# Allegro board 8880F5-0823_1_maisha.brd (continued)
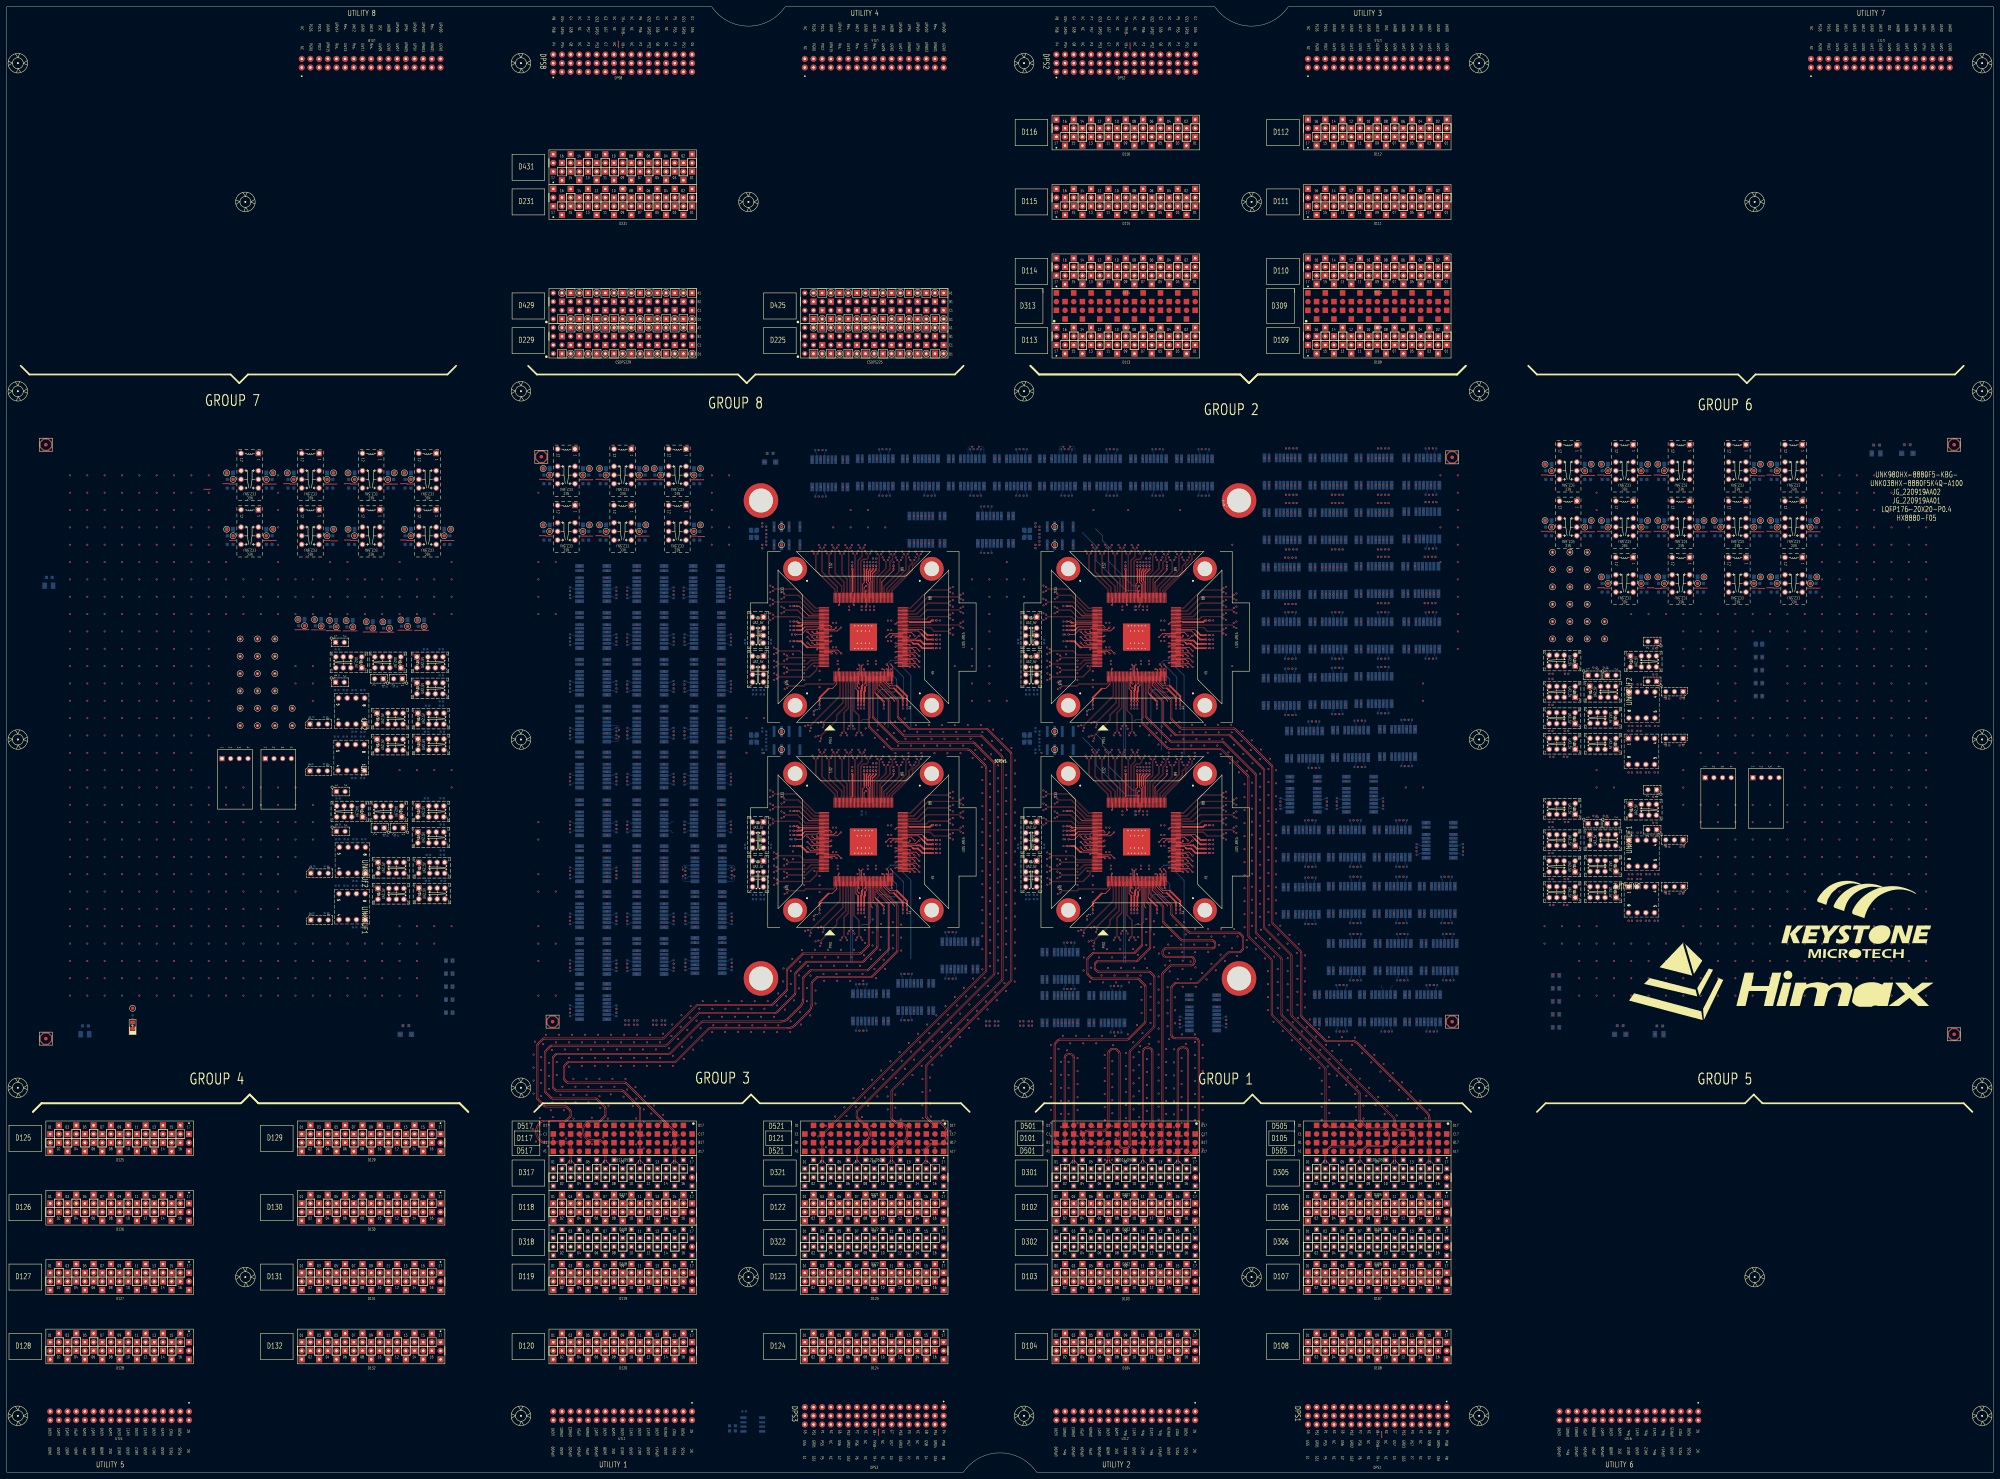
[diagram p0: board, top side]
## Placement (name value [footprint] x y rotation side) (continued)
FD9  -  [FD_040_V2]  570.23 128.27 180 bottom
FD10  -  [FD_040_V2]  570.23 300.99 0 top
FD11  -  [FD_040_V2]  570.23 300.99 180 bottom
FD12  -  [FD_040_V2]  11.43 300.99 0 top
FD13  -  [FD_040_V2]  11.43 300.99 180 bottom
FD14  -  [FD_040_V2]  11.43 127 0 top
FD15  -  [FD_040_V2]  11.43 127 180 bottom
FD16  -  [FD_040_V2]  570.23 128.27 0 top
GND1  TP01  [TP_040_T]  173.57 294 0 top
GND2  TP01  [TP_040_T]  187.11 294 180 top
GND3  TP01  [TP_040_T]  116.42 292.74 0 top
GND4  TP01  [TP_040_T]  157.06 294 0 top
GND5  TP01  [TP_040_T]  170.6 294 180 top
GND6  TP01  [TP_040_T]  173.57 277.5 0 top
GND7  TP01  [TP_040_T]  203.11 294 180 top
GND8  TP01  [TP_040_T]  189.58 294 0 top
GND9  TP01  [TP_040_T]  170.6 277.5 180 top
GND10  TP01  [TP_040_T]  99.36 249.46 0 top
GND11  TP01  [TP_040_T]  94.49 249.52 0 top
GND12  TP01  [TP_040_T]  203.11 277.5 180 top
GND13  TP01  [TP_040_T]  187.11 277.5 180 top
GND14  TP01  [TP_040_T]  157.06 277.5 0 top
HX8880-F05  REF-CODE-CHIP  [CHIP_CODE]  559.05 279.65 0 top
J1  HDR-2X1-M  [JP_2P_100]  110.24 232.41 270 bottom
J2  HDR-3X1-M  [JP_3P_100]  88.76 205.43 90 bottom
J3  HDR-3X1-M  [JP_3P_100]  88.76 219.15 90 bottom
J4  HDR-2X1-M  [JP_2P_100]  96.27 231.39 90 bottom
J5  HDR-2X1-M  [JP_2P_100]  96.27 243.08 90 bottom
JG_220919AA01  REF-CODE-SOCKET  [SOCKET_CODE]  559.05 284.73 0 top
JG_220919AA02  REF-CODE-SOCKET  [SOCKET_CODE]  559.05 287.27 0 top
K1  G6K-2F-RF-T-5V-SPECIAL  [RL_G6K2FRT_8P_5V_GR]  171.7 219.2 270 bottom
K2  G6K-2F-RF-T-5V-SPECIAL  [RL_G6K2FRT_8P_5V_GR]  205.23 232.92 270 bottom
K3  G6K-2F-RF-T-5V-SPECIAL  [RL_G6K2FRT_8P_5V_GR]  294.39 292.86 0 bottom
K4  G6K-2F-RF-T-5V-SPECIAL  [RL_G6K2FRT_8P_5V_GR]  307.59 292.86 0 bottom
K5  G6K-2F-RF-T-5V-SPECIAL  [RL_G6K2FRT_8P_5V_GR]  347.73 292.86 0 bottom
K6  G6K-2F-RF-T-5V-SPECIAL  [RL_G6K2FRT_8P_5V_GR]  334.26 292.86 0 bottom
K7  G6K-2F-RF-T-5V-SPECIAL  [RL_G6K2FRT_8P_5V_GR]  320.8 292.86 0 bottom
K8  G6K-2F-RF-T-5V-SPECIAL  [RL_G6K2FRT_8P_5V_GR]  267.46 292.86 0 bottom
K9  UA2-5NJ-A-V3  [RL_NECUA2_5V_V3]  219.96 235.46 90 bottom
K10  UA2-5NJ-A-V3  [RL_NECUA2_5V_V3]  111.76 237.24 0 bottom
K11  G6K-2F-RF-T-5V-SPECIAL  [RL_G6K2FRT_8P_5V_GR]  289.56 276.1 180 bottom
K12  UA2-5NJ-A-V3  [RL_NECUA2_5V_V3]  219.96 246.89 90 bottom
K13  UA2-5NJ-A-V3  [RL_NECUA2_5V_V3]  123.7 229.62 180 bottom
K14  UA2-5NJ-A-V3  [RL_NECUA2_5V_V3]  112.01 220.73 180 bottom
K15  UA2-5NJ-A-V3  [RL_NECUA2_5V_V3]  123.99 213.19 180 bottom
K16  G6K-2F-RF-T-5V-SPECIAL  [RL_G6K2FRT_8P_5V_GR]  241.05 292.61 180 bottom
K17  G6K-2F-RF-T-5V-SPECIAL  [RL_G6K2FRT_8P_5V_GR]  254.25 292.86 0 bottom
K18  UB2-5NU-B  [RL_NECUB2_5V]  228.45 274.32 0 bottom
K19  UA2-5NJ-A-V3  [RL_NECUA2_5V_V3]  112.01 213.11 180 bottom
K20  UA2-5NJ-A-V3  [RL_NECUA2_5V_V3]  123.95 220.73 180 bottom
K21  G6K-2F-RF-T-5V-SPECIAL  [RL_G6K2FRT_8P_5V_GR]  280.92 292.86 0 bottom
K22  G6K-2F-RF-T-5V-SPECIAL  [RL_G6K2FRT_8P_5V_GR]  205.23 246.63 270 bottom
K23  G6K-2F-RF-T-5V-SPECIAL  [RL_G6K2FRT_8P_5V_GR]  188.47 232.92 270 bottom
K24  G6K-2F-RF-T-5V-SPECIAL  [RL_G6K2FRT_8P_5V_GR]  171.7 232.92 270 bottom
K25  G6K-2F-RF-T-5V-SPECIAL  [RL_G6K2FRT_8P_5V_GR]  204.98 260.35 270 bottom
K26  G6K-2F-RF-T-5V-SPECIAL  [RL_G6K2FRT_8P_5V_GR]  188.47 246.63 270 bottom
K27  G6K-2F-RF-T-5V-SPECIAL  [RL_G6K2FRT_8P_5V_GR]  171.7 246.63 270 bottom
K28  UA2-5NJ-A-V3  [RL_NECUA2_5V_V3]  100.33 237.24 0 bottom
K29  G6K-2F-RF-T-5V-SPECIAL  [RL_G6K2FRT_8P_5V_GR]  171.7 260.35 270 bottom
K30  G6K-2F-RF-T-5V-SPECIAL  [RL_G6K2FRT_8P_5V_GR]  188.47 260.35 270 bottom
K31  EC2-5NJ-A  [RL_NECEC2_10P_5V]  196.34 276.86 90 bottom
K33  NC/UA2-5NJ-A-V3  [RL_NECUA2_5V_V3]  123.7 237.24 180 bottom
K34  EC2-5NJ-A  [RL_NECEC2_10P_5V]  180.34 293.37 90 bottom
K36  EC2-5NJ-A  [RL_NECEC2_10P_5V]  123.19 292.1 90 bottom
K37  EC2-5NJ-A  [RL_NECEC2_10P_5V]  163.83 293.37 90 bottom
K39  EC2-5NJ-A  [RL_NECEC2_10P_5V]  180.34 276.86 90 bottom
K40  EC2-5NJ-A  [RL_NECEC2_10P_5V]  196.34 293.37 90 bottom
K42  EC2-5NJ-A  [RL_NECEC2_10P_5V]  163.83 276.86 90 bottom
K43  G6K-2F-RF-T-5V-SPECIAL  [RL_G6K2FRT_8P_5V_GR]  269.49 276.1 180 bottom
LD902  LDG-2-S8  [LED_0805]  36.83 130.81 90 top
LOGO1  -  [LOGO_KT_KSMT]  538.48 154.94 0 top
LOGO2  LOGO_HX_Himax  [LOGO_HX_HIMAX]  518.16 138.43 0 top
LQFP176-20X20-P0.4  REF-CODE-CHIP  [CHIP_CODE]  559.05 282.19 0 top
NOREF  -  []  252.51 205.56 90 top
NOREF#2  -  []  275.12 271.65 90 top
NOREF#3  -  []  473.79 239.64 0 top
NOREF#4  -  []  330.73 205.56 90 top
NOREF#5  -  []  411.26 179.6 90 top
NOREF#6  -  []  175.8 201.79 90 top
NOREF#7  -  []  354.27 131.87 90 top
NOREF#8  -  []  284.36 280.1 0 top
NOREF#9  -  []  251.62 205.56 0 top
NOREF#10  -  []  312.46 144.39 90 top
NOREF#11  -  []  339.46 288.86 90 top
NOREF#12  -  []  390.69 273.11 0 top
NOREF#13  -  []  378.75 256.66 90 top
NOREF#14  -  []  36.1 129.71 90 top
NOREF#15  -  []  278.6 147.38 0 top
NOREF#16  -  []  399.39 178.25 0 top
NOREF#17  -  []  459.28 211.76 0 top
NOREF#18  -  []  112.16 238.84 0 top
NOREF#19  -  []  390.94 273.16 90 top
NOREF#20  -  []  332.83 264.65 90 top
NOREF#21  -  []  383.09 273.11 0 top
NOREF#22  -  []  369.38 257.11 0 top
NOREF#23  -  []  230.41 248.88 90 top
NOREF#24  -  []  418.12 257.42 90 top
NOREF#25  -  []  259.33 265.55 0 top
NOREF#26  -  []  334.61 265.86 90 top
NOREF#27  -  []  249.85 164.74 0 top
NOREF#28  -  []  460.93 225.6 90 top
NOREF#29  -  []  328.33 187.93 0 top
NOREF#30  -  []  403.41 209.61 0 top
NOREF#31  -  []  410.52 241.11 0 top
NOREF#32  -  []  230.73 186.66 0 top
NOREF#33  -  []  461.86 187.32 0 top
NOREF#34  -  []  405.93 272.66 90 top
NOREF#35  -  []  167.7 151.68 90 top
NOREF#36  -  []  327.25 265.56 90 top
NOREF#37  -  []  172.08 291.65 90 top
NOREF#38  -  []  343.95 163.52 90 top
NOREF#39  -  []  263.14 282 0 top
NOREF#40  -  []  209.23 191.22 90 top
NOREF#41  -  []  105.58 234.24 90 top
NOREF#42  -  []  352.25 249.82 0 top
NOREF#43  -  []  303.56 245.29 90 top
NOREF#44  -  []  184.47 159.65 90 top
NOREF#45  -  []  209.33 187.82 90 top
NOREF#46  -  []  226.83 269.63 90 top
NOREF#47  -  []  378.58 273.11 90 top
NOREF#48  -  []  192.57 160.9 90 top
NOREF#49  -  []  380.59 222.95 0 top
NOREF#50  -  []  230.41 243.09 90 top
NOREF#51  -  []  339.33 204.35 90 top
NOREF#52  -  []  451.68 230.2 0 top
NOREF#53  -  []  354.27 134.07 90 top
NOREF#54  -  []  482.64 192.46 90 top
NOREF#55  -  []  209.23 202.99 90 top
NOREF#56  -  []  192.47 218.65 90 top
NOREF#57  -  []  194.09 228.47 90 top
NOREF#58  -  []  310.73 249.2 0 top
NOREF#59  -  []  382.82 163.39 0 top
NOREF#60  -  []  304.61 131.64 0 top
NOREF#61  -  []  449.99 174.46 0 top
NOREF#62  -  []  322.23 233.13 90 top
NOREF#63  -  []  167.7 186.57 90 top
NOREF#64  -  []  412.36 209.61 90 top
NOREF#65  -  []  192.47 243.88 90 top
NOREF#66  -  []  192.57 187.82 90 top
NOREF#67  -  []  96.58 195.15 0 top
NOREF#68  -  []  342.63 296.86 0 top
NOREF#69  -  []  263.63 225.04 90 top
NOREF#70  -  []  229.21 193.37 0 top
NOREF#71  -  []  418.63 131.94 90 top
NOREF#72  -  []  375.73 199.18 90 top
NOREF#73  -  []  250.5 288.86 0 top
NOREF#74  -  []  182.82 243.9 90 top
NOREF#75  -  []  262.04 224.74 0 top
NOREF#76  -  []  167.7 163.2 90 top
NOREF#77  -  []  375.22 180.15 0 top
NOREF#78  -  []  108.01 214.71 0 top
NOREF#79  -  []  373.83 192.28 0 top
NOREF#80  -  []  333.4 264.35 90 top
NOREF#81  -  []  211.11 146.93 90 top
NOREF#82  -  []  220.36 237.06 0 top
NOREF#83  -  []  175.8 133.97 90 top
NOREF#84  -  []  300.74 286.96 90 top
NOREF#85  -  []  115.99 130.36 90 top
NOREF#86  -  []  373.68 265.11 0 top
NOREF#87  -  []  106.76 217.73 90 top
NOREF#88  -  []  115.61 219.13 90 top
NOREF#89  -  []  352.55 183.91 0 top
NOREF#90  -  []  272.25 185.5 0 top
NOREF#91  -  []  324.9 288.91 90 top
NOREF#92  -  []  275.82 296.86 0 top
NOREF#93  -  []  252.51 205.56 0 top
NOREF#94  -  []  101.82 273.87 90 top
NOREF#95  -  []  413.75 171.64 0 top
NOREF#96  -  []  165.8 185.42 90 top
NOREF#97  -  []  386.33 207.21 90 top
NOREF#98  -  []  251.06 223.82 90 top
NOREF#99  -  []  317.98 163.82 90 top
NOREF#100  -  []  182.57 171.96 0 top
NOREF#101  -  []  228.36 202.16 45 top
NOREF#102  -  []  326.23 233.13 0 top
NOREF#103  -  []  107.02 171.57 0 top
NOREF#104  -  []  373.68 232.6 0 top
NOREF#105  -  []  217.41 273.24 0 top
NOREF#106  -  []  229.51 187.93 0 top
NOREF#107  -  []  399.8 207.46 90 top
NOREF#108  -  []  404.4 273.16 90 top
NOREF#109  -  []  329.28 163.82 90 top
NOREF#110  -  []  354.08 286.96 90 top
NOREF#111  -  []  346.27 129.42 0 top
NOREF#112  -  []  352.25 242.32 90 top
NOREF#113  -  []  412.6 161.74 0 top
NOREF#114  -  []  118.96 179.19 0 top
NOREF#115  -  []  341.63 195.43 90 top
NOREF#116  -  []  348.28 296.86 0 top
NOREF#117  -  []  328.96 164.72 0 top
NOREF#118  -  []  462.06 293.82 90 top
NOREF#119  -  []  351.34 182.64 0 top
NOREF#120  -  []  471.21 211.76 90 top
NOREF#121  -  []  229.51 183.41 0 top
NOREF#122  -  []  124.1 231.22 0 top
NOREF#123  -  []  247.89 264.35 90 top
NOREF#124  -  []  298.13 214.06 0 top
NOREF#125  -  []  495.08 274.77 90 top
NOREF#126  -  []  250.74 224.72 0 top
NOREF#127  -  []  317.05 288.86 0 top
NOREF#128  -  []  184.47 190.12 90 top
NOREF#129  -  []  304.65 211.67 0 top
NOREF#130  -  []  182.57 158.5 0 top
NOREF#131  -  []  210.86 228.47 90 top
NOREF#132  -  []  412.62 281.37 0 top
NOREF#133  -  []  256.77 163.82 90 top
NOREF#134  -  []  333.4 204.35 90 top
NOREF#135  -  []  295.96 248.49 0 top
NOREF#136  -  []  413.51 207.71 90 top
NOREF#137  -  []  343.95 164.74 90 top
NOREF#138  -  []  167.7 165.4 90 top
NOREF#139  -  []  397.38 163.64 90 top
NOREF#140  -  []  175.7 209.49 90 top
NOREF#141  -  []  463.61 214.96 0 top
NOREF#142  -  []  450.03 210.36 0 top
NOREF#143  -  []  230.73 189.2 0 top
NOREF#144  -  []  201.23 227.72 0 top
NOREF#145  -  []  265.81 288.86 0 top
NOREF#146  -  []  372.72 178.25 0 top
NOREF#147  -  []  262.68 163.52 90 top
NOREF#148  -  []  394.05 287.22 0 top
NOREF#149  -  []  308.91 152.34 0 top
NOREF#150  -  []  392.24 199.18 90 top
NOREF#151  -  []  331.94 265.86 90 top
NOREF#152  -  []  373.87 171.39 0 top
NOREF#153  -  []  201.49 146.18 90 top
NOREF#154  -  []  310.43 253.37 0 top
NOREF#155  -  []  313.94 286.96 90 top
NOREF#156  -  []  209.23 222.95 90 top
NOREF#157  -  []  118.99 171.65 0 top
NOREF#158  -  []  167.7 214 0 top
NOREF#159  -  []  182.57 158.5 90 top
NOREF#160  -  []  342.68 164.74 90 top
NOREF#161  -  []  300.01 288.31 90 top
NOREF#162  -  []  127.95 195.15 0 top
NOREF#163  -  []  392.24 194.78 90 top
NOREF#164  -  []  330.49 163.52 90 top
NOREF#165  -  []  339.33 205.55 0 top
NOREF#166  -  []  224.65 211.67 0 top
NOREF#167  -  []  317.57 269.63 90 top
NOREF#168  -  []  329.6 223.52 90 top
NOREF#169  -  []  272.25 244.86 90 top
NOREF#170  -  []  177.33 173.86 90 top
NOREF#171  -  []  309.51 186.66 0 top
NOREF#172  -  []  352.25 244.86 90 top
NOREF#173  -  []  201.23 241.43 90 top
NOREF#174  -  []  201.23 192.32 90 top
NOREF#175  -  []  127.3 228.02 90 top
NOREF#176  -  []  327.57 204.65 90 top
NOREF#177  -  []  450.03 191.31 0 top
NOREF#178  -  []  175.8 256.4 90 top
NOREF#179  -  []  375.73 193.43 90 top
NOREF#180  -  []  459.24 219.3 0 top
NOREF#181  -  []  175.7 137.37 90 top
NOREF#182  -  []  112.41 222.33 0 top
NOREF#183  -  []  230.43 187.61 0 top
NOREF#184  -  []  475.04 239.09 0 top
NOREF#185  -  []  254.29 205.56 0 top
NOREF#186  -  []  272.24 189.18 90 top
NOREF#187  -  []  394.66 290.39 90 top
NOREF#188  -  []  410.27 257.37 0 top
NOREF#189  -  []  248.96 224.74 0 top
NOREF#190  -  []  309.51 243.41 0 top
NOREF#191  -  []  468.68 129.54 0 top
NOREF#192  -  []  117.01 234.24 90 top
NOREF#193  -  []  115.61 211.51 90 top
NOREF#194  -  []  404.24 154.88 0 top
NOREF#195  -  []  317.83 257.63 0 top
NOREF#196  -  []  383.09 257.11 0 top
NOREF#197  -  []  398.53 144.98 90 top
NOREF#198  -  []  334.61 205.86 90 top
NOREF#199  -  []  342.04 224.74 0 top
NOREF#200  -  []  309.21 243.09 0 top
NOREF#201  -  []  419.9 272.92 90 top
NOREF#202  -  []  309.21 186.34 0 top
NOREF#203  -  []  415.61 179.97 0 top
NOREF#204  -  []  392.66 192.88 90 top
NOREF#205  -  []  250.17 223.82 90 top
NOREF#206  -  []  405.93 288.67 90 top
NOREF#207  -  []  251.94 265.86 90 top
NOREF#208  -  []  303.56 173.86 90 top
NOREF#209  -  []  240.94 211.63 90 top
NOREF#210  -  []  369.63 289.12 0 top
NOREF#211  -  []  268.94 272.1 0 top
NOREF#212  -  []  373.83 192.28 90 top
NOREF#213  -  []  410.52 273.37 0 top
NOREF#214  -  []  384.36 131.89 0 top
NOREF#215  -  []  478.57 259.9 90 top
NOREF#216  -  []  230.73 193.69 0 top
NOREF#217  -  []  309.21 188.88 0 top
NOREF#218  -  []  408.88 133.16 90 top
NOREF#219  -  []  260.55 136.46 90 top
NOREF#220  -  []  324.65 288.86 0 top
NOREF#221  -  []  303.26 139.64 0 top
NOREF#222  -  []  411.99 161.74 90 top
NOREF#223  -  []  459.28 236.14 0 top
NOREF#224  -  []  175.7 162.1 90 top
NOREF#225  -  []  408.63 242.38 90 top
NOREF#226  -  []  419.22 257.37 90 top
NOREF#227  -  []  271.04 245.5 0 top
NOREF#228  -  []  418.37 289.17 90 top
NOREF#229  -  []  461.86 230.75 0 top
NOREF#230  -  []  390.53 163.64 0 top
NOREF#231  -  []  175.7 177.76 90 top
NOREF#232  -  []  482.64 235.89 90 top
NOREF#233  -  []  465.31 186.77 0 top
NOREF#234  -  []  351.04 242.96 0 top
NOREF#235  -  []  259.33 204.35 90 top
NOREF#236  -  []  201.23 192.32 90 top
NOREF#237  -  []  192.47 257.6 90 top
NOREF#238  -  []  468.85 257.36 90 top
NOREF#239  -  []  272.24 183.59 90 top
NOREF#240  -  []  303.26 152.34 0 top
NOREF#241  -  []  332.61 288.86 0 top
NOREF#242  -  []  272.25 249.18 90 top
NOREF#243  -  []  250.49 223.52 90 top
NOREF#244  -  []  478.57 274.77 90 top
NOREF#245  -  []  184.47 165.4 90 top
NOREF#246  -  []  459.24 219.3 90 top
NOREF#247  -  []  230.43 247.61 0 top
NOREF#248  -  []  329.85 164.74 0 top
NOREF#249  -  []  177.33 146.68 90 top
NOREF#250  -  []  406.94 131.34 90 top
NOREF#251  -  []  470.79 128.27 0 top
NOREF#252  -  []  230.73 187.93 0 top
NOREF#253  -  []  237.98 225.04 90 top
NOREF#254  -  []  390.94 241.16 90 top
NOREF#255  -  []  167.7 227.72 90 top
NOREF#256  -  []  166.06 203.01 90 top
NOREF#257  -  []  201.23 219.75 90 top
NOREF#258  -  []  376.98 224.6 0 top
NOREF#259  -  []  261.63 173.83 90 top
NOREF#260  -  []  230.41 253.37 90 top
NOREF#261  -  []  511.59 259.9 90 top
NOREF#262  -  []  262.36 223.82 90 top
NOREF#263  -  []  414.82 297.12 0 top
NOREF#264  -  []  423.61 188.92 90 top
NOREF#265  -  []  272.25 181.69 0 top
NOREF#266  -  []  272.55 241.37 0 top
NOREF#267  -  []  247.25 205.56 90 top
NOREF#268  -  []  472.86 174.55 90 top
NOREF#269  -  []  412.37 265.37 0 top
NOREF#270  -  []  167.7 190.12 90 top
NOREF#271  -  []  351.04 185.5 0 top
NOREF#272  -  []  411.01 209.61 0 top
NOREF#273  -  []  266.74 143.19 0 top
NOREF#274  -  []  199.84 175.58 90 top
NOREF#275  -  []  376.15 192.88 90 top
NOREF#276  -  []  210.86 242.18 90 top
NOREF#277  -  []  351.34 241.37 0 top
NOREF#278  -  []  408.02 271.47 0 top
NOREF#279  -  []  311.44 288.86 0 top
NOREF#280  -  []  168.69 273.5 90 top
NOREF#281  -  []  192.47 162.1 90 top
NOREF#282  -  []  393.19 255.21 90 top
NOREF#283  -  []  448.94 276.41 90 top
NOREF#284  -  []  339.65 204.65 90 top
NOREF#285  -  []  88.64 247.45 90 top
NOREF#286  -  []  390.53 154.88 0 top
NOREF#287  -  []  260.99 143.19 0 top
NOREF#288  -  []  342.04 164.74 0 top
NOREF#289  -  []  290.64 288.86 0 top
NOREF#290  -  []  266.74 272.1 0 top
NOREF#291  -  []  401.89 180.15 0 top
NOREF#292  -  []  273.24 272.1 0 top
NOREF#293  -  []  166.06 243.9 90 top
NOREF#294  -  []  401.89 163.64 0 top
NOREF#295  -  []  209.49 155.13 90 top
NOREF#296  -  []  304.61 144.34 0 top
NOREF#297  -  []  113.08 129.54 0 top
NOREF#298  -  []  410.84 163.64 90 top
NOREF#299  -  []  262.34 143.19 0 top
NOREF#300  -  []  94.93 190.55 0 top
NOREF#301  -  []  251.62 264.35 90 top
NOREF#302  -  []  118.7 195.7 0 top
NOREF#303  -  []  168.13 254.6 90 top
NOREF#304  -  []  115.61 191.95 90 top
NOREF#305  -  []  101.29 247.16 90 top
NOREF#306  -  []  330.18 182.88 0 top
NOREF#307  -  []  271.34 241.37 0 top
NOREF#308  -  []  217.83 234.63 90 top
NOREF#309  -  []  460.89 174.46 90 top
NOREF#310  -  []  417.7 146.88 0 top
NOREF#311  -  []  414.57 265.37 0 top
NOREF#312  -  []  96.33 238.84 0 top
NOREF#313  -  []  254.29 264.35 90 top
NOREF#314  -  []  396.55 241.11 0 top
NOREF#315  -  []  259.88 288.41 90 top
NOREF#316  -  []  201.4 254.6 90 top
NOREF#317  -  []  248.33 247.93 0 top
NOREF#318  -  []  471.21 168.33 90 top
NOREF#319  -  []  175.7 216.45 90 top
NOREF#320  -  []  330.73 265.56 0 top
NOREF#321  -  []  287.27 286.96 90 top
NOREF#322  -  []  332.51 204.35 90 top
NOREF#323  -  []  341.63 255.43 90 top
NOREF#324  -  []  253.4 204.35 90 top
NOREF#325  -  []  310.73 243.41 0 top
NOREF#326  -  []  120.21 178.64 0 top
NOREF#327  -  []  351.83 288.91 90 top
NOREF#328  -  []  167.7 256.5 90 top
NOREF#329  -  []  333.72 264.65 90 top
NOREF#330  -  []  326 288.86 90 top
NOREF#331  -  []  424.47 163.19 90 top
NOREF#332  -  []  367.48 225.87 90 top
NOREF#333  -  []  201.49 178.86 90 top
NOREF#334  -  []  271.82 134.74 90 top
NOREF#335  -  []  221.56 250.49 0 top
NOREF#336  -  []  352.55 249.5 0 top
NOREF#337  -  []  310.41 253.37 90 top
NOREF#338  -  []  201.23 206.29 90 top
NOREF#339  -  []  119.95 195.15 0 top
NOREF#340  -  []  397.8 163.19 90 top
NOREF#341  -  []  229.21 243.09 0 top
NOREF#342  -  []  331.86 252.43 90 top
NOREF#343  -  []  252.51 204.35 90 top
NOREF#344  -  []  398.65 209.36 90 top
NOREF#345  -  []  119.7 238.84 0 top
NOREF#346  -  []  339.33 205.55 0 top
NOREF#347  -  []  104.18 191.95 90 top
NOREF#348  -  []  251.38 163.52 90 top
NOREF#349  -  []  199.33 226.57 90 top
NOREF#350  -  []  378.58 289.12 90 top
NOREF#351  -  []  168.13 172.56 90 top
NOREF#352  -  []  250.73 205.55 0 top
NOREF#353  -  []  167.7 219.75 90 top
NOREF#354  -  []  304.65 271.67 0 top
NOREF#355  -  []  201.23 217.55 90 top
NOREF#356  -  []  201.23 233.47 90 top
NOREF#357  -  []  468.01 179.15 0 top
NOREF#358  -  []  201.23 186.57 0 top
NOREF#359  -  []  167.7 255.15 0 top
NOREF#360  -  []  199.59 158.5 90 top
NOREF#361  -  []  298.13 274.06 0 top
NOREF#362  -  []  230.41 183.09 90 top
NOREF#363  -  []  247.25 265.55 0 top
NOREF#364  -  []  412.62 273.37 0 top
NOREF#365  -  []  338.11 288.86 0 top
NOREF#366  -  []  283.21 282 0 top
NOREF#367  -  []  165.8 240.28 0 top
NOREF#368  -  []  262.68 223.52 90 top
NOREF#369  -  []  107.76 238.84 0 top
NOREF#370  -  []  167.7 138.47 90 top
NOREF#371  -  []  254.61 264.65 90 top
NOREF#372  -  []  167.7 192.32 90 top
NOREF#373  -  []  344.37 128.27 0 top
NOREF#374  -  []  330.73 204.35 90 top
NOREF#375  -  []  248.96 164.74 0 top
NOREF#376  -  []  309.21 193.37 0 top
NOREF#377  -  []  306.71 152.34 0 top
NOREF#378  -  []  182.57 199.39 0 top
NOREF#379  -  []  305.94 288.86 0 top
NOREF#380  -  []  184.47 200.54 0 top
NOREF#381  -  []  259.33 265.56 0 top
NOREF#382  -  []  177.33 214.75 90 top
NOREF#383  -  []  306.83 269.63 90 top
NOREF#384  -  []  222.11 192.14 0 top
NOREF#385  -  []  259.33 205.55 0 top
NOREF#386  -  []  396.55 241.11 0 top
NOREF#387  -  []  258.2 246.67 0 top
NOREF#388  -  []  271.04 185.5 0 top
NOREF#389  -  []  343.31 164.72 0 top
NOREF#390  -  []  239.33 176.03 90 top
NOREF#391  -  []  343.63 163.82 90 top
NOREF#392  -  []  167.7 241.43 0 top
NOREF#393  -  []  344.62 131.89 90 top
NOREF#394  -  []  260.83 234.63 90 top
NOREF#395  -  []  319.15 288.86 0 top
NOREF#396  -  []  230.43 186.34 90 top
NOREF#397  -  []  272.24 182.32 90 top
NOREF#398  -  []  396.03 146.88 0 top
NOREF#399  -  []  392.47 240.66 90 top
NOREF#400  -  []  405.93 256.82 90 top
NOREF#401  -  []  352.55 182.64 0 top
NOREF#402  -  []  334.29 265.56 0 top
NOREF#403  -  []  352.25 244.23 0 top
NOREF#404  -  []  271.34 242.64 0 top
NOREF#405  -  []  327.57 264.65 90 top
NOREF#406  -  []  108.01 222.33 0 top
NOREF#407  -  []  175.7 168.6 90 top
NOREF#408  -  []  177.33 242.18 90 top
NOREF#409  -  []  267.84 280.1 0 top
NOREF#410  -  []  318.3 224.74 90 top
NOREF#411  -  []  463.11 186.77 0 top
NOREF#412  -  []  271.34 249.5 0 top
NOREF#413  -  []  128.21 178.64 0 top
NOREF#414  -  []  229.05 271.67 0 top
NOREF#415  -  []  459.28 183.57 90 top
NOREF#416  -  []  249.85 164.72 0 top
NOREF#417  -  []  377.32 188.15 0 top
NOREF#418  -  []  511.59 257.36 90 top
NOREF#419  -  []  342.36 223.82 90 top
NOREF#420  -  []  343.2 232.26 90 top
NOREF#421  -  []  384.17 163.39 90 top
NOREF#422  -  []  219.76 297.18 0 top
NOREF#423  -  []  317.66 224.74 0 top
NOREF#424  -  []  209.49 182.06 90 top
NOREF#425  -  []  415.61 181.32 90 top
NOREF#426  -  []  368.03 249.11 0 top
NOREF#427  -  []  310.41 183.09 90 top
NOREF#428  -  []  271.34 185.18 0 top
NOREF#429  -  []  272.25 184.23 0 top
NOREF#430  -  []  201.49 151.93 90 top
NOREF#431  -  []  318.32 131.64 0 top
NOREF#432  -  []  396.55 273.11 0 top
NOREF#433  -  []  386.46 139.89 0 top
NOREF#434  -  []  472.86 217.98 90 top
NOREF#435  -  []  209.23 218.65 90 top
NOREF#436  -  []  384.59 179.7 90 top
NOREF#437  -  []  377.23 257.16 90 top
NOREF#438  -  []  312.46 131.69 90 top
NOREF#439  -  []  184.47 233.47 90 top
NOREF#440  -  []  167.7 258.7 90 top
NOREF#441  -  []  401.87 194.18 90 top
NOREF#442  -  []  475.04 195.66 0 top
NOREF#443  -  []  66.26 290.38 90 top
NOREF#444  -  []  410.52 289.12 0 top
NOREF#445  -  []  175.8 174.36 90 top
NOREF#446  -  []  303.15 211.32 90 top
NOREF#447  -  []  375.73 193.43 0 top
NOREF#448  -  []  124.64 171.1 0 top
NOREF#449  -  []  230.73 189.2 0 top
NOREF#450  -  []  471.21 211.76 0 top
NOREF#451  -  []  268.01 296.86 0 top
NOREF#452  -  []  116.27 178.64 0 top
NOREF#453  -  []  201.23 227.72 90 top
NOREF#454  -  []  310.43 188.88 90 top
NOREF#455  -  []  390.53 171.64 0 top
NOREF#456  -  []  218.13 214.06 90 top
NOREF#457  -  []  263.71 288.86 0 top
NOREF#458  -  []  167.7 145.93 0 top
NOREF#459  -  []  184.47 192.32 90 top
NOREF#460  -  []  390.53 146.88 0 top
NOREF#461  -  []  294.94 296.86 0 top
NOREF#462  -  []  343.31 224.74 0 top
NOREF#463  -  []  312.79 288.86 90 top
NOREF#464  -  []  518.38 273.87 90 top
NOREF#465  -  []  379.48 239.21 90 top
NOREF#466  -  []  339.89 288.31 90 top
NOREF#467  -  []  310.41 247.61 90 top
NOREF#468  -  []  392.24 199.18 90 top
NOREF#469  -  []  461.86 230.75 0 top
NOREF#470  -  []  84.04 290.38 90 top
NOREF#471  -  []  296.81 275.94 0 top
NOREF#472  -  []  310.73 187.93 0 top
NOREF#473  -  []  265.81 296.86 0 top
NOREF#474  -  []  289.01 272.1 0 top
NOREF#475  -  []  397.57 131.89 0 top
NOREF#476  -  []  118.33 271.33 90 top
NOREF#477  -  []  369.63 289.12 0 top
NOREF#478  -  []  392.24 193.43 90 top
NOREF#479  -  []  182.57 199.39 90 top
NOREF#480  -  []  405.5 241.11 90 top
NOREF#481  -  []  463.61 222.58 0 top
NOREF#482  -  []  230.73 193.69 0 top
NOREF#483  -  []  184.89 172.56 90 top
NOREF#484  -  []  253.4 265.55 0 top
NOREF#485  -  []  402.14 146.88 0 top
NOREF#486  -  []  168.13 227.17 90 top
NOREF#487  -  []  94.93 190.55 0 top
NOREF#488  -  []  343.63 165.04 90 top
NOREF#489  -  []  367.48 242.38 90 top
NOREF#490  -  []  388.35 217.36 0 top
NOREF#491  -  []  120.24 171.1 0 top
NOREF#492  -  []  381.2 290.39 90 top
NOREF#493  -  []  108.01 214.71 0 top
NOREF#494  -  []  249.6 223.52 90 top
NOREF#495  -  []  254.61 265.86 90 top
NOREF#496  -  []  392.47 288.57 90 top
NOREF#497  -  []  263.95 164.74 90 top
NOREF#498  -  []  167.7 214 90 top
NOREF#499  -  []  262.68 164.74 90 top
NOREF#500  -  []  247.25 205.55 0 top
NOREF#501  -  []  192.47 202.99 90 top
NOREF#502  -  []  201.49 146.18 0 top
NOREF#503  -  []  314.33 168.13 90 top
NOREF#504  -  []  192.47 168.6 90 top
NOREF#505  -  []  337.09 164.74 90 top
NOREF#506  -  []  459.28 192.71 90 top
NOREF#507  -  []  317.05 288.86 0 top
NOREF#508  -  []  242.23 233.13 90 top
NOREF#509  -  []  398.65 241.11 0 top
NOREF#510  -  []  304.61 131.64 0 top
NOREF#511  -  []  378.75 224.05 90 top
NOREF#512  -  []  241.82 167.13 90 top
NOREF#513  -  []  165.8 240.28 90 top
NOREF#514  -  []  333.33 241.33 90 top
NOREF#515  -  []  423.45 146.93 90 top
NOREF#516  -  []  108.27 178.64 0 top
NOREF#517  -  []  251.38 224.74 90 top
NOREF#518  -  []  419.64 256.82 90 top
NOREF#519  -  []  315.16 290.13 90 top
NOREF#520  -  []  385.19 241.11 0 top
NOREF#521  -  []  258.61 131.69 90 top
NOREF#522  -  []  124.61 178.64 0 top
NOREF#523  -  []  417.87 257.37 0 top
NOREF#524  -  []  383.09 241.11 0 top
NOREF#525  -  []  182.57 240.28 90 top
NOREF#526  -  []  175.8 228.97 90 top
NOREF#527  -  []  396.03 163.64 0 top
NOREF#528  -  []  417.7 154.88 0 top
NOREF#529  -  []  332.51 205.55 0 top
NOREF#530  -  []  354.27 138.37 90 top
NOREF#531  -  []  383.09 241.11 0 top
NOREF#532  -  []  331.05 265.86 90 top
NOREF#533  -  []  391.96 131.89 0 top
NOREF#534  -  []  336.77 163.82 90 top
NOREF#535  -  []  185.2 276.04 90 top
NOREF#536  -  []  175.7 236.67 90 top
NOREF#537  -  []  313.22 288.41 90 top
NOREF#538  -  []  468.01 171.53 0 top
NOREF#539  -  []  288.14 286.96 0 top
NOREF#540  -  []  385.32 178.25 90 top
NOREF#541  -  []  167.7 165.4 90 top
NOREF#542  -  []  451.64 222.5 0 top
NOREF#543  -  []  239.33 176.03 0 top
NOREF#544  -  []  419.47 289.12 90 top
NOREF#545  -  []  200.98 255.15 0 top
NOREF#546  -  []  279.27 296.86 0 top
NOREF#547  -  []  106.11 234.24 0 top
NOREF#548  -  []  273.95 147.38 90 top
NOREF#549  -  []  406.65 271.21 90 top
NOREF#550  -  []  182.82 203.01 90 top
NOREF#551  -  []  237.83 257.63 0 top
NOREF#552  -  []  343.98 288.86 0 top
NOREF#553  -  []  415.61 185.72 90 top
NOREF#554  -  []  424.55 146.88 90 top
NOREF#555  -  []  217.83 174.63 90 top
NOREF#556  -  []  465.81 214.96 0 top
NOREF#557  -  []  420.88 129.99 90 top
NOREF#558  -  []  405.42 131.94 90 top
NOREF#559  -  []  461.86 187.32 0 top
NOREF#560  -  []  184.47 258.7 90 top
NOREF#561  -  []  312.25 271.67 90 top
NOREF#562  -  []  230.43 187.61 90 top
NOREF#563  -  []  351.04 249.18 0 top
NOREF#564  -  []  393.19 239.21 90 top
NOREF#565  -  []  327.89 204.35 90 top
NOREF#566  -  []  251.06 163.82 90 top
NOREF#567  -  []  369.38 241.11 0 top
NOREF#568  -  []  272.55 242.64 0 top
NOREF#569  -  []  256.77 223.82 90 top
NOREF#570  -  []  240.94 151.63 90 top
NOREF#571  -  []  272.25 189.82 0 top
NOREF#572  -  []  407.67 129.99 90 top
NOREF#573  -  []  310.73 249.2 0 top
NOREF#574  -  []  257.09 224.74 90 top
NOREF#575  -  []  473.79 239.64 0 top
NOREF#576  -  []  184.47 186.57 0 top
NOREF#577  -  []  341.48 286.96 0 top
NOREF#578  -  []  343.83 171.63 90 top
NOREF#579  -  []  330.51 288.86 0 top
NOREF#580  -  []  406.65 239.21 90 top
NOREF#581  -  []  165.8 199.39 0 top
NOREF#582  -  []  116.01 222.33 0 top
NOREF#583  -  []  329.28 225.04 90 top
NOREF#584  -  []  188.08 289.11 90 top
NOREF#585  -  []  331.62 264.35 90 top
NOREF#586  -  []  199.59 189.04 90 top
NOREF#587  -  []  271.34 181.37 0 top
NOREF#588  -  []  182.57 212.85 90 top
NOREF#589  -  []  477.24 239.09 0 top
NOREF#590  -  []  343.98 288.86 0 top
NOREF#591  -  []  393.31 131.89 90 top
NOREF#592  -  []  382.82 180.15 0 top
NOREF#593  -  []  306.71 139.64 0 top
NOREF#594  -  []  271.04 242.96 0 top
NOREF#595  -  []  263.95 163.52 90 top
NOREF#596  -  []  261.21 286.96 0 top
NOREF#597  -  []  419.9 240.66 90 top
NOREF#598  -  []  459.24 175.86 0 top
NOREF#599  -  []  167.7 219.75 90 top
NOREF#600  -  []  221.56 190.49 0 top
NOREF#601  -  []  400.85 265.37 0 top
NOREF#602  -  []  271.04 182.96 0 top
NOREF#603  -  []  396.55 241.11 0 top
NOREF#604  -  []  351.04 181.69 0 top
NOREF#605  -  []  237.83 197.63 0 top
NOREF#606  -  []  314.55 286.96 0 top
NOREF#607  -  []  263.14 270.2 90 top
NOREF#608  -  []  192.47 205.19 90 top
NOREF#609  -  []  393.19 287.22 90 top
NOREF#610  -  []  383.73 198.08 90 top
NOREF#611  -  []  256.77 165.04 90 top
NOREF#612  -  []  392.21 131.94 90 top
NOREF#613  -  []  420.62 239.21 90 top
NOREF#614  -  []  166.06 230.19 90 top
NOREF#615  -  []  265.64 135.19 0 top
NOREF#616  -  []  327.57 265.86 90 top
NOREF#617  -  []  286.55 288.31 90 top
NOREF#618  -  []  379.73 271.21 90 top
NOREF#619  -  []  392.24 196.98 90 top
NOREF#620  -  []  254.29 265.56 90 top
NOREF#621  -  []  415.61 183.52 90 top
NOREF#622  -  []  249.6 164.74 90 top
NOREF#623  -  []  415.61 185.72 90 top
NOREF#624  -  []  230.83 224.63 0 top
NOREF#625  -  []  368.28 297.12 0 top
NOREF#626  -  []  246.67 288.16 90 top
NOREF#627  -  []  352.25 242.96 0 top
NOREF#628  -  []  175.7 250.38 90 top
NOREF#629  -  []  410.52 241.11 0 top
NOREF#630  -  []  221.56 239.06 0 top
NOREF#631  -  []  252.83 205.86 90 top
NOREF#632  -  []  270.04 280.1 0 top
NOREF#633  -  []  239.4 296.61 0 top
NOREF#634  -  []  271.04 189.82 0 top
NOREF#635  -  []  107.02 179.19 0 top
NOREF#636  -  []  175.7 246.08 90 top
NOREF#637  -  []  405.93 272.56 90 top
NOREF#638  -  []  309.51 253.69 0 top
NOREF#639  -  []  351.04 189.18 0 top
NOREF#640  -  []  310.41 186.34 90 top
NOREF#641  -  []  298.16 248.49 0 top
NOREF#642  -  []  401.87 139.89 0 top
NOREF#643  -  []  263.44 135.19 0 top
NOREF#644  -  []  423.61 182.42 90 top
NOREF#645  -  []  110.21 222.33 0 top
NOREF#646  -  []  371.73 289.12 0 top
NOREF#647  -  []  400.25 148.15 90 top
NOREF#648  -  []  330.73 264.35 90 top
NOREF#649  -  []  221.56 182.89 0 top
NOREF#650  -  []  330.74 164.74 0 top
NOREF#651  -  []  175.7 230.17 90 top
NOREF#652  -  []  400.54 171.64 0 top
NOREF#653  -  []  342.08 290.13 90 top
NOREF#654  -  []  201.66 240.88 90 top
NOREF#655  -  []  321.82 227.13 90 top
NOREF#656  -  []  352.24 241.05 90 top
NOREF#657  -  []  201.21 292.55 90 top
NOREF#658  -  []  394.05 223.21 0 top
NOREF#659  -  []  418.12 289.12 0 top
NOREF#660  -  []  332.61 296.86 0 top
NOREF#661  -  []  326.23 173.13 0 top
NOREF#662  -  []  351.04 249.82 0 top
NOREF#663  -  []  310.73 253.69 0 top
NOREF#664  -  []  319.33 236.03 0 top
NOREF#665  -  []  423.71 181.22 90 top
NOREF#666  -  []  413.71 178.82 0 top
NOREF#667  -  []  238.3 288.61 0 top
NOREF#668  -  []  271.04 249.82 0 top
NOREF#669  -  []  271.34 245.18 0 top
NOREF#670  -  []  247.57 204.65 90 top
NOREF#671  -  []  385.19 224.85 0 top
NOREF#672  -  []  400.79 154.88 0 top
NOREF#673  -  []  418.37 241.16 90 top
NOREF#674  -  []  314.71 129.74 90 top
NOREF#675  -  []  322.23 173.13 90 top
NOREF#676  -  []  390.53 180.15 0 top
NOREF#677  -  []  229.05 211.67 0 top
NOREF#678  -  []  387.8 210.63 90 top
NOREF#679  -  []  118.45 226.62 90 top
NOREF#680  -  []  101.82 287.84 90 top
NOREF#681  -  []  242.23 173.13 0 top
NOREF#682  -  []  402.14 146.88 0 top
NOREF#683  -  []  411.26 163.09 90 top
NOREF#684  -  []  272.25 184.86 90 top
NOREF#685  -  []  259.84 133.29 90 top
NOREF#686  -  []  241.82 227.13 90 top
NOREF#687  -  []  192.47 259.8 90 top
NOREF#688  -  []  230.43 248.88 90 top
NOREF#689  -  []  390.94 289.17 90 top
NOREF#690  -  []  201.49 165.4 90 top
NOREF#691  -  []  209.49 168.6 90 top
NOREF#692  -  []  394.66 242.38 90 top
NOREF#693  -  []  559.43 297.18 90 top
NOREF#694  -  []  175.7 243.88 90 top
NOREF#695  -  []  112.67 171.02 0 top
NOREF#696  -  []  270.04 280.1 0 top
